# KiCad board RASBB.kicad_pcb (continued)
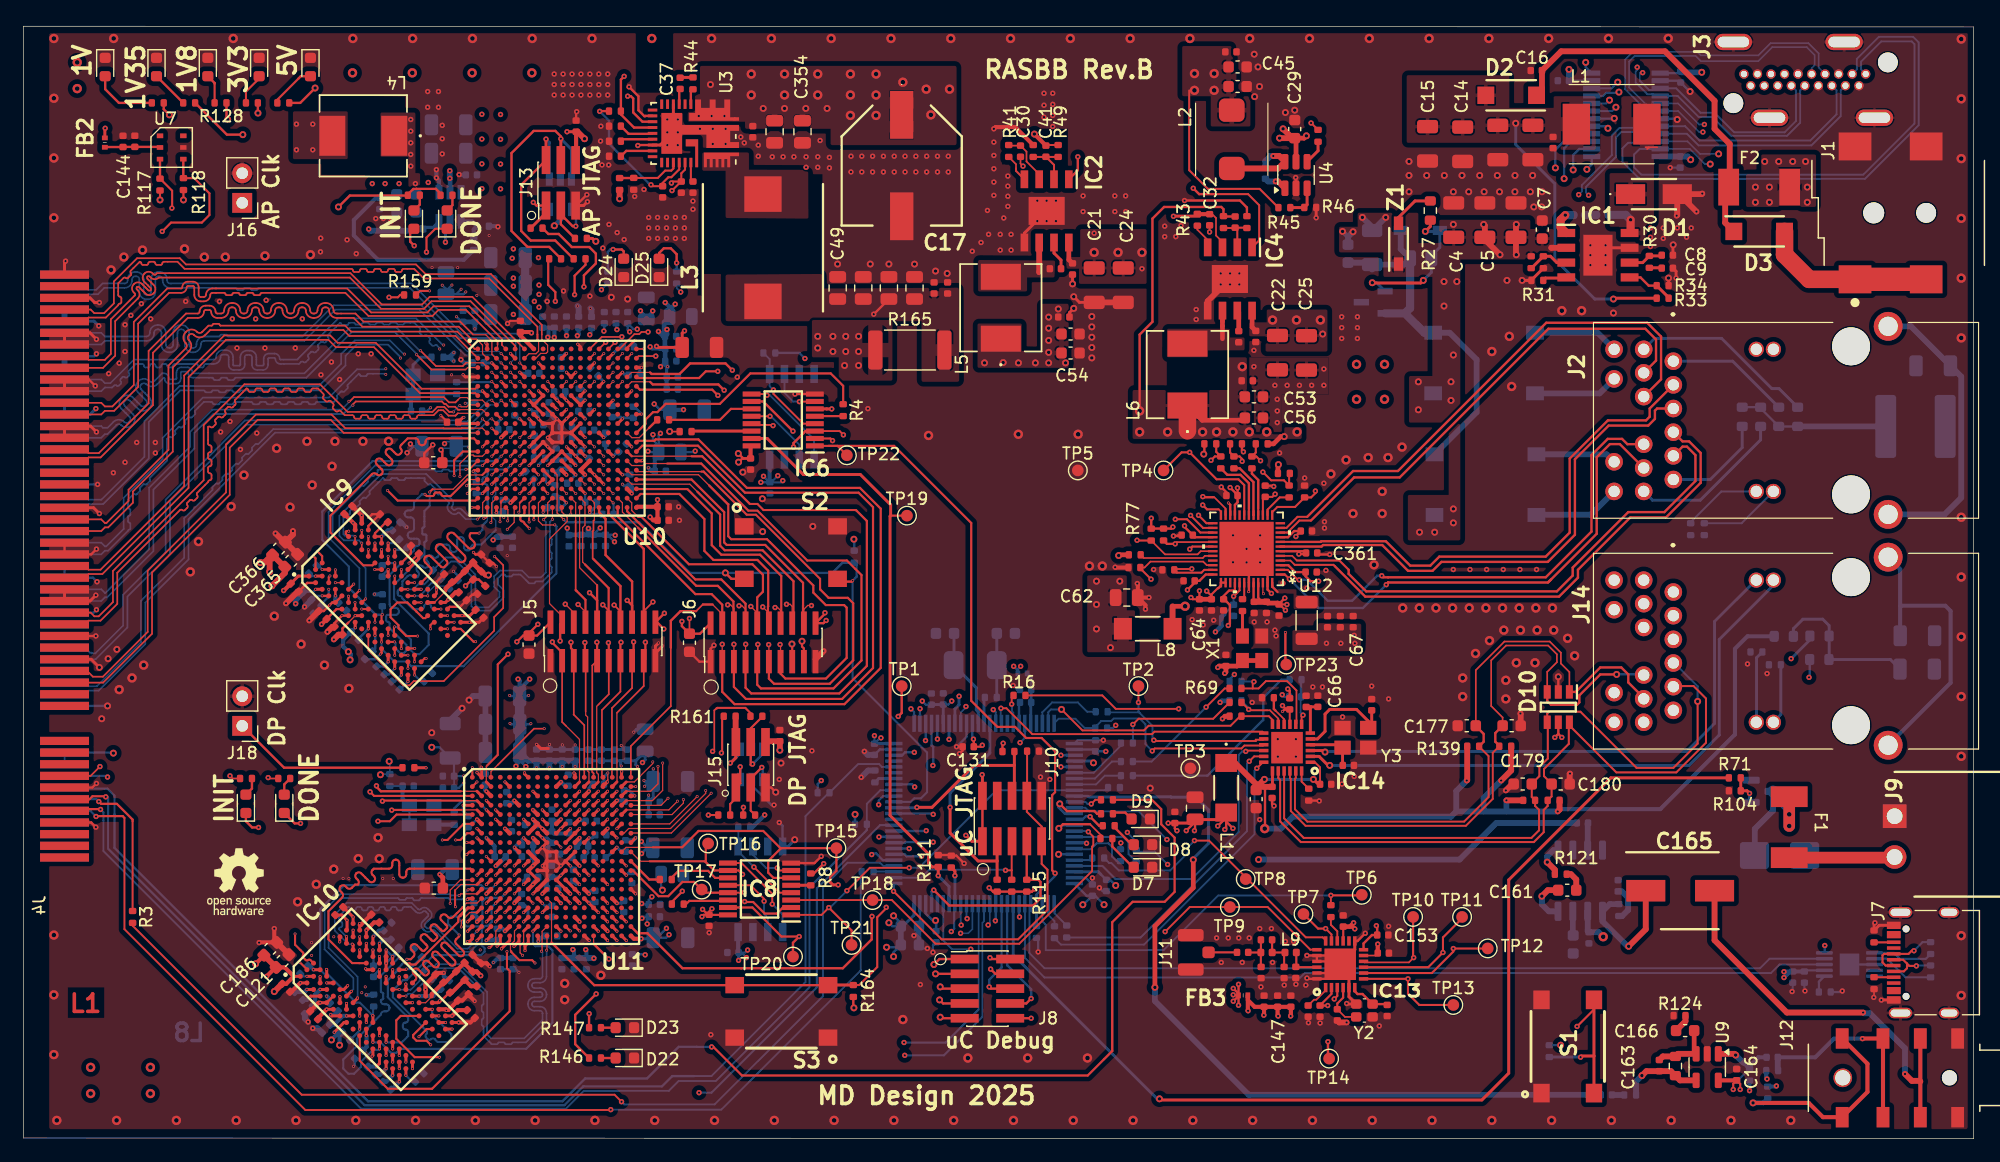
[diagram p0: board, top side]
## Nets (continued)
GND: C4.2 C5.2 C6.2 C7.2 C8.2 C9.2 C11.2 C12.2 C13.2 C14.2 C15.2 C16.2 C17.2 C18.2 C19.2 C20.2 C21.2 C22.2 C23.2 C24.2 C25.2 C26.2 C27.2 C28.2 C29.2 C30.2 C31.2 C32.2 C38.2 C39.2 C40.2 C42.2 C44.1 C45.1 C46.2 C47.1 C48.1 C49.2 C50.2 C51.2 C52.2 C53.1 C54.1 C55.1 C56.1 C57.1 C58.2 C59.2 C60.2 C61.2 C62.2 C63.2 C64.2 C65.2 C66.2 C67.2 C68.2 C69.2 C70.2 C71.2 C72.2 C73.2 C74.2 C75.2 C76.2 C77.2 C78.2 C79.2 C80.2 C81.2 C82.2 C83.2 C84.2 C85.2 C86.2 C87.2 C88.2 C89.2 C90.2 C91.2 C92.2 C93.2 C94.2 C95.2 C96.2 C97.2 C98.2 C99.2 C100.2 C101.2 C102.2 C103.2 C104.2 C105.2 C106.2 C107.2 C108.2 C109.2 C110.2 C111.2 C112.2 C113.2 C114.2 C115.2 C116.2 C117.2 C118.2 C119.2 C120.2 C121.2 C122.2 C123.2 C124.2 C125.1 C126.1 C127.2 C128.2 C129.2 C130.2 C131.2 C132.2 C133.2 C134.2 C135.2 C136.2 C137.2 C138.2 C139.2 C140.2 C141.2 C142.2 C143.2 C144.2 C145.2 C146.2 C147.2 C148.2 C149.2 C150.2 C151.2 C152.2 C153.2 C154.2 C155.2 C156.2 C158.2 C160.2 C162.2 C164.2 C168.2 C169.2 C170.2 C171.2 C172.2 C173.2 C174.2 C175.2 C176.2 C177.2 C178.2 C179.2 C180.2 C181.2 C182.2 C183.2 C184.2 C185.2 C186.2 C187.2 C188.1 C189.2 C190.2 C191.2 C192.1 C193.2 C194.2 C195.2 C196.2 C197.2 C198.2 C199.2 C200.2 C201.2 C202.1 C203.2 C204.1 C205.2 C206.2 C207.2 C208.2 C209.2 C210.2 C211.2 C212.2 C213.2 C214.2 C215.2 C216.2 C217.2 C218.2 C219.2 C220.2 C221.2 C222.2 C223.2 C224.2 C225.2 C226.2 C227.2 C228.2 C229.2 C230.2 C231.2 C232.2 C233.2 C234.2 C235.2 C236.2 C238.2 C239.2 C241.2 C242.2 C243.2 C244.2 C245.2 C246.2 C247.2 C248.2 C249.2 C250.2 C251.2 C252.2 C253.2 C254.2 C255.2 C257.2 C258.2 C261.2 C262.2 C263.2 C264.2 C265.2 C266.2 C267.2 C269.2 C273.2 C274.2 C275.2 C277.2 C278.2 C280.2 C281.2 C282.2 C284.2 C285.2 C287.2 C289.2 C290.2 C291.2 C292.2 C293.2 C294.2 C295.2 C296.2 C297.2 C298.2 C299.2 C300.2 C301.2 C302.2 C303.2 C304.2 C305.2 C306.2 C307.2 C308.2 C310.2 C311.2 C312.2 C313.2 C314.2 C315.2 C316.2 C317.2 C326.2 C327.2 C328.2 C329.2 C330.2 C331.2 C332.2 C333.2 C334.2 C335.2 C336.2 C337.2 C338.2 C339.2 C342.2 C346.2 C347.2 C348.2 C349.2 C350.2 C351.2 C352.2 C353.2 C354.2 C355.2 C356.2 C357.2 C358.2 C359.2 C360.2 C361.2 C362.2 C363.2 C364.2 C365.2 C366.2 D1.2 D6.2 D7.1 D8.1 D9.1 D10.2 D11.2 D12.2 D17.1 D18.1 D19.1 D20.1 D21.1 D22.1 D23.1 D24.1 D25.1 IC1.7 IC1.9 IC2.5 IC2.9 IC3.1 IC4.5 IC4.9 IC5.4 IC6.8 IC7.4 IC8.8 IC9.A9 IC9.B1 IC9.B3 IC9.B9 IC9.D1 IC9.D8 IC9.E1 IC9.E2 IC9.E8 IC9.F9 IC9.G1 IC9.G8 IC9.G9 IC9.J2 IC9.J8 IC9.M1 IC9.M9 IC9.P1 IC9.P9 IC9.T1 IC9.T9 IC10.A9 IC10.B1 IC10.B3 IC10.B9 IC10.D1 IC10.D8 IC10.E1 IC10.E2 IC10.E8 IC10.F9 IC10.G1 IC10.G8 IC10.G9 IC10.J2 IC10.J8 IC10.M1 IC10.M9 IC10.P1 IC10.P9 IC10.T1 IC10.T9 IC11.6 IC11.14 IC11.19 IC12.10 IC12.19 IC12.26 IC12.49 IC12.74 IC12.99 IC13.5 IC13.13 IC13.20 IC13.21 IC13.23 IC13.24 IC13.25 IC14.25 J1.2 J1.3 J3.2 J3.5 J3.8 J3.11 J3.17 J3.SH J4.A04 J4.A12 J4.A15 J4.A18 J4.A20 J4.A23 J4.A24 J4.A27 J4.A28 J4.A31 J4.A37 J4.A38 J4.A41 J4.A42 J4.A45 J4.A46 J4.A49 J4.B04 J4.B07 J4.B16 J4.B18 J4.B21 J4.B22 J4.B25 J4.B26 J4.B29 J4.B35 J4.B36 J4.B39 J4.B40 J4.B43 J4.B44 J4.B47 J4.B49 J5.1 J5.19 J6.1 J6.19 J7.A1 J7.A12 J7.B1 J7.B12 J7.S1 J9.1 J10.10 J11.2 J12.1A J12.1B J13.5 J15.5 J16.2 J18.2 Q1.2 R29.1 R31.1 R34.2 R37.1 R38.1 R39.1 R40.1 R46.1 R48.2 R50.1 R52.1 R60.1 R74.1 R76.1 R82.2 R83.2 R84.2 R85.2 R86.2 R89.2 R90.2 R91.2 R92.2 R95.2 R97.2 R98.2 R101.1 R104.2 R105.2 R106.1 R111.1 R112.1 R113.2 R120.1 R124.2 R126.1 R134.1 R135.2 R150.2 R151.2 S1.1 S1.2 S2.1 S2.2 S3.1 S3.2 TP3.1 TP5.1 U2.3 U3.7 U3.11 U3.16 U3.32/33 U4.2 U6.3 U6.11 U7.5 U8.2 U8.4 U9.2 U10.A2 U10.A12 U10.B5 U10.B15 U10.C8 U10.C18 U10.D1 U10.D11 U10.E4 U10.E14 U10.F7 U10.F9 U10.F11 U10.F17 U10.G8 U10.G10 U10.G12 U10.H3 U10.H7 U10.H9 U10.H11 U10.H13 U10.J6 U10.J8 U10.J9 U10.J10 U10.J12 U10.J16 U10.K7 U10.K9 U10.K10 U10.K11 U10.L2 U10.L8 U10.L9 U10.L10 U10.L12 U10.M5 U10.M7 U10.M9 U10.M11 U10.M15 U10.N8 U10.N10 U10.N12 U10.N18 U10.P1 U10.P11 U10.P13 U10.R4 U10.R14 U10.T7 U10.T17 U10.U10 U10.V3 U10.V13 U11.A2 U11.A12 U11.B5 U11.B15 U11.C8 U11.C18 U11.D1 U11.D11 U11.E4 U11.E14 U11.F7 U11.F9 U11.F11 U11.F17 U11.G8 U11.G10 U11.G12 U11.H3 U11.H7 U11.H9 U11.H11 U11.H13 U11.J6 U11.J8 U11.J9 U11.J10 U11.J12 U11.J16 U11.K7 U11.K9 U11.K10 U11.K11 U11.L2 U11.L8 U11.L9 U11.L10 U11.L12 U11.M5 U11.M7 U11.M9 U11.M11 U11.M15 U11.N8 U11.N10 U11.N12 U11.N18 U11.P1 U11.P11 U11.P13 U11.R4 U11.R14 U11.T7 U11.T17 U11.U10 U11.V3 U11.V13 U12.43 U12.47 U12.49 X1.2 X3.2 X4.2 Y2.2 Y2.4 Y3.2 Y3.4
/Audio_IN-OUT/Audio_IN: C163.2 R21.2 R123.2 U9.4
/Audio_IN-OUT/Audio_PTT: IC12.45 J12.4A J12.4B R67.1
/Audio_IN-OUT/LM386_INP: C2.2 U8.3
/Config-SPI FLASH/CS_Flash_FPGA1: IC6.2 U10.L13
/Config-SPI FLASH/MUX_EN1: IC6.15 IC12.69 R111.2 TP19.1
/Config-SPI FLASH/MUX_EN2: IC8.15 IC12.68 R112.2 TP20.1
/Config-SPI FLASH/SCK_Flash_FPGA1: IC6.14 R1.2
/Config-SPI FLASH/SCK_Flash_FPGA2: IC8.14 R6.1
/Config-SPI FLASH/SI_Flash_FPGA1: IC6.11 R2.2
/Config-SPI FLASH/SI_Flash_FPGA2: IC8.11 R7.1
/Config-SPI FLASH/SO_Flash_FPGA1: IC6.5 R4.2
/Config-SPI FLASH/SO_Flash_FPGA2: IC8.5 R8.1
/Config-SPI FLASH/SWITCH_FLASH_1: IC6.1 IC12.54 R113.1 TP22.1
/Config-SPI FLASH/SWITCH_FLASH_2: IC8.1 IC12.34 R106.2 TP21.1
/CS2_FLASH_uC: IC12.80 U11.U18
/CS_FLASH_FPGA2: IC8.2 U11.L13
/CS_FLASH_uC: IC6.3 IC8.3 IC12.41 TP18.1 U10.E18
/DDR3-01/CK_N: IC9.K7 R87.2 U10.V9
/DDR3-01/CK_P: IC9.J7 R87.1 U10.U9
/DDR3-01/DDR301_A0: IC9.N3 U10.R2
/DDR3-01/DDR301_A1: IC9.P7 U10.M6
/DDR3-01/DDR301_A2: IC9.P3 U10.N4
/DDR3-01/DDR301_A3: IC9.N2 U10.T1
/DDR3-01/DDR301_A4: IC9.P8 U10.N6
/DDR3-01/DDR301_A5: IC9.P2 U10.R7
/DDR3-01/DDR301_A6: IC9.R8 U10.V6
/DDR3-01/DDR301_A7: IC9.R2 U10.U7
/DDR3-01/DDR301_A8: IC9.T8 U10.R8
/DDR3-01/DDR301_A9: IC9.R3 U10.V7
/DDR3-01/DDR301_A10/AP: IC9.L7 U10.R6
/DDR3-01/DDR301_A11: IC9.R7 U10.U6
/DDR3-01/DDR301_A12/nBC: IC9.N7 U10.T6
/DDR3-01/DDR301_A13: IC9.T3 U10.T8
/DDR3-01/DDR301_BA0: IC9.M2 U10.R1
/DDR3-01/DDR301_BA1: IC9.N8 U10.P4
/DDR3-01/DDR301_BA2: IC9.M3 U10.P2
/DDR3-01/DDR301_CLKE: IC9.K9 U10.N5
/DDR3-01/DDR301_DQ0: IC9.E3 U10.K5
/DDR3-01/DDR301_DQ1: IC9.F7 U10.L3
/DDR3-01/DDR301_DQ2: IC9.F2 U10.K3
/DDR3-01/DDR301_DQ3: IC9.F8 U10.L6
/DDR3-01/DDR301_DQ4: IC9.H3 U10.M3
/DDR3-01/DDR301_DQ5: IC9.H8 U10.M1
/DDR3-01/DDR301_DQ6: IC9.G2 U10.L4
/DDR3-01/DDR301_DQ7: IC9.H7 U10.M2
/DDR3-01/DDR301_DQ8: IC9.D7 U10.V4
/DDR3-01/DDR301_DQ9: IC9.C3 U10.T4
/DDR3-01/DDR301_DQ10: IC9.C8 U10.U4
/DDR3-01/DDR301_DQ11: IC9.C2 U10.V5
/DDR3-01/DDR301_DQ12: IC9.A7 U10.V1
/DDR3-01/DDR301_DQ13: IC9.A2 U10.T3
/DDR3-01/DDR301_DQ14: IC9.B8 U10.U3
/DDR3-01/DDR301_DQ15: IC9.A3 U10.R3
/DDR3-01/DDR301_LDM: IC9.E7 U10.L1
/DDR3-01/DDR301_LDQS_N: IC9.G3 U10.N1
/DDR3-01/DDR301_LDQS_P: IC9.F3 U10.N2
/DDR3-01/DDR301_nCAS: IC9.K3 R86.1 U10.M4
/DDR3-01/DDR301_nCS: IC9.L2 U10.U8
/DDR3-01/DDR301_nRAS: IC9.J3 U10.P3
/DDR3-01/DDR301_nRST: IC9.T2 R85.1 U10.K6
/DDR3-01/DDR301_nWE: IC9.L3 U10.P5
/DDR3-01/DDR301_ODT: IC9.K1 U10.R5
/DDR3-01/DDR301_UDM: IC9.D3 U10.U1
/DDR3-01/DDR301_UDQS_N: IC9.B7 U10.U2
/DDR3-01/DDR301_UDQS_P: IC9.C7 U10.V2
/DDR3-01/VREF_DDR3: C76.1 C77.1 C84.1 IC9.H1 IC9.M8 R88.2 R89.1
/DDR3-2/CK_N: IC10.K7 R93.2 U11.V9
/DDR3-2/CK_P: IC10.J7 R93.1 U11.U9
/DDR3-2/DDR301_A0: IC10.N3 U11.R2
/DDR3-2/DDR301_A1: IC10.P7 U11.M6
/DDR3-2/DDR301_A2: IC10.P3 U11.N4
/DDR3-2/DDR301_A3: IC10.N2 U11.T1
/DDR3-2/DDR301_A4: IC10.P8 U11.N6
/DDR3-2/DDR301_A5: IC10.P2 U11.R7
/DDR3-2/DDR301_A6: IC10.R8 U11.V6
/DDR3-2/DDR301_A7: IC10.R2 U11.U7
/DDR3-2/DDR301_A8: IC10.T8 U11.R8
/DDR3-2/DDR301_A9: IC10.R3 U11.V7
/DDR3-2/DDR301_A10/AP: IC10.L7 U11.R6
/DDR3-2/DDR301_A11: IC10.R7 U11.U6
/DDR3-2/DDR301_A12/nBC: IC10.N7 U11.T6
/DDR3-2/DDR301_A13: IC10.T3 U11.T8
/DDR3-2/DDR301_BA0: IC10.M2 U11.R1
/DDR3-2/DDR301_BA1: IC10.N8 U11.P4
/DDR3-2/DDR301_BA2: IC10.M3 U11.P2
/DDR3-2/DDR301_CLKE: IC10.K9 U11.N5
/DDR3-2/DDR301_DQ0: IC10.E3 U11.K5
/DDR3-2/DDR301_DQ1: IC10.F7 U11.L3
/DDR3-2/DDR301_DQ2: IC10.F2 U11.K3
/DDR3-2/DDR301_DQ3: IC10.F8 U11.L6
/DDR3-2/DDR301_DQ4: IC10.H3 U11.M3
/DDR3-2/DDR301_DQ5: IC10.H8 U11.M1
/DDR3-2/DDR301_DQ6: IC10.G2 U11.L4
/DDR3-2/DDR301_DQ7: IC10.H7 U11.M2
/DDR3-2/DDR301_DQ8: IC10.D7 U11.V4
/DDR3-2/DDR301_DQ9: IC10.C3 U11.T4
/DDR3-2/DDR301_DQ10: IC10.C8 U11.U4
/DDR3-2/DDR301_DQ11: IC10.C2 U11.V5
/DDR3-2/DDR301_DQ12: IC10.A7 U11.V1
/DDR3-2/DDR301_DQ13: IC10.A2 U11.T3
/DDR3-2/DDR301_DQ14: IC10.B8 U11.U3
/DDR3-2/DDR301_DQ15: IC10.A3 U11.R3
/DDR3-2/DDR301_LDM: IC10.E7 U11.L1
/DDR3-2/DDR301_LDQS_N: IC10.G3 U11.N1
/DDR3-2/DDR301_LDQS_P: IC10.F3 U11.N2
/DDR3-2/DDR301_nCAS: IC10.K3 R92.1 U11.M4
/DDR3-2/DDR301_nCS: IC10.L2 U11.U8
/DDR3-2/DDR301_nRAS: IC10.J3 U11.P3
/DDR3-2/DDR301_nRST: IC10.T2 R91.1 U11.K6
/DDR3-2/DDR301_nWE: IC10.L3 U11.P5
/DDR3-2/DDR301_ODT: IC10.K1 U11.R5
/DDR3-2/DDR301_UDM: IC10.D3 U11.U1
/DDR3-2/DDR301_UDQS_N: IC10.B7 U11.V2
/DDR3-2/DDR301_UDQS_P: IC10.C7 U11.U2
/DDR3-2/VREF_DDR3: C99.1 C100.1 C107.1 IC10.H1 IC10.M8 R94.2 R95.1
/DEBUG_A0: J5.3 U10.T10 U11.B12
/DEBUG_A1: J5.5 U10.T11 U11.A13
/DEBUG_A2: J5.7 U10.R12 U11.B13
/DEBUG_A3: J5.9 U10.T13 U11.A14
/DEBUG_A4: J5.11 U10.R13 U11.B14
/DEBUG_A5: J5.13 U10.T14 U11.A15
/DEBUG_A6: J5.15 U10.P14 U11.A16
/DEBUG_A7: J5.17 U10.T15 U11.B16
/DEBUG_D0: J5.4 U10.V10 U11.C12
/DEBUG_D1: J5.6 U10.V11 U11.D12
/DEBUG_D2: J5.8 U10.U11 U11.D13
/DEBUG_D3: J5.10 U10.V12 U11.C14
/DEBUG_D4: J5.12 U10.U12 U11.D14
/DEBUG_D5: J5.14 U10.U13 U11.C15
/DEBUG_D6: J5.16 U10.V14 U11.D15
/DEBUG_D7: J5.18 U10.V15 U11.C16
/DEBUG_D8: J6.4 U10.V16 U11.A18
/DEBUG_D9: J6.6 U10.U16 U11.B18
/DEBUG_D10: J6.8 U10.V17 U11.B17
/DEBUG_D11: J6.10 U10.U17 U11.C17
/DEBUG_D12: J6.12 U10.U18 U11.D17
/DEBUG_D13: J6.14 U10.T18 U11.E15
/DEBUG_D14: J6.16 U10.R17 U11.D18
/DEBUG_D15: J6.18 U10.R18 U11.E16
/DEBUG_D16: J6.3 U10.L18 U11.E17
/DEBUG_D17: J6.5 U10.M18 U11.E18
/DEBUG_D18: J6.7 U10.M17 U11.F15
/DEBUG_D19: J6.9 U10.N17 U11.F16
/DEBUG_D20: J6.11 U10.P18 U11.F18
/DEBUG_D21: J6.13 U10.P17 U11.G16
/DEBUG_D22: J6.15 U10.N14 U11.G17
/DEBUG_D23: J6.17 U10.M14 U11.G18
/Ethernet_FPGA/G_ETH_CLK: R73.1 U12.42
/Ethernet_FPGA/G_ETH_RESET: R107.2 U11.A3 U12.29
/Ethernet_FPGA/LED_GR_ETH: J2.17 R74.2 U12.34
/Ethernet_FPGA/LED_YL_ETH: J2.19 R76.2 U12.35
/Ethernet_FPGA/MDI0_N: J2.10 U12.2
/Ethernet_FPGA/MDI0_P: J2.11 U12.1
/Ethernet_FPGA/MDI1_N: J2.5 U12.5
/Ethernet_FPGA/MDI1_P: J2.4 U12.4
/Ethernet_FPGA/MDI2_N: J2.2 U12.8
/Ethernet_FPGA/MDI2_P: J2.3 U12.7
/Ethernet_FPGA/MDI3_N: J2.9 U12.11
/Ethernet_FPGA/MDI3_P: J2.8 U12.10
/Ethernet_FPGA/RGMII_MDC: U11.A1 U12.30
/Ethernet_FPGA/RGMII_MDIO: R77.2 U11.B1 U12.31
/Ethernet_FPGA/RGMII_RXC: TP4.1 U11.E1 U12.19
/Ethernet_FPGA/RGMII_RXD0: R57.1 R63.1 U11.C1
/Ethernet_FPGA/RGMII_RXD1: R58.1 R64.1 U11.C2
/Ethernet_FPGA/RGMII_RXD2: R61.1 R65.1 U11.D2
/Ethernet_FPGA/RGMII_RXD3: R62.1 R66.1 U11.E2
/Ethernet_FPGA/RGMII_RXDV: R60.2 U11.B3 U12.13
/Ethernet_FPGA/RGMII_TX_EN: U11.G2 U12.27
/Ethernet_FPGA/RGMII_TXC: U11.F4 U12.22
/Ethernet_FPGA/RGMII_TXD0: U11.F1 U12.23
/Ethernet_FPGA/RGMII_TXD1: U11.G1 U12.24
/Ethernet_FPGA/RGMII_TXD2: U11.H1 U12.25
/Ethernet_FPGA/RGMII_TXD3: U11.H2 U12.26
/Ethernet_uC/ETH_RESET: IC12.25 IC14.15 R75.2
/Ethernet_uC/LED_GR_ETH: IC14.3 J14.17
/Ethernet_uC/LED_YL_ETH: IC14.2 J14.19
/Ethernet_uC/RMII_CRS_DV: R20.1 R70.2
/Ethernet_uC/RMII_MDC: IC12.16 IC14.13
/Ethernet_uC/RMII_MDIO: IC12.24 IC14.12 R136.1
/Ethernet_uC/RMII_REFCLK: IC14.14 R18.1 TP2.1
/Ethernet_uC/RMII_RXD0: R23.1 R69.1
/Ethernet_uC/RMII_RXD1: R24.1 R68.1
/Ethernet_uC/RMII_TX_EN: IC12.47 IC14.16
/Ethernet_uC/RMII_TXD0: IC14.17 R19.1
/Ethernet_uC/RMII_TXD1: IC14.18 R17.1
/Ethernet_uC/RX_N: C178.1 D10.3 IC14.22 J14.10 R140.1
/Ethernet_uC/RX_P: C177.1 D10.1 IC14.23 J14.11 R139.1
/Ethernet_uC/TX_N: C180.1 D10.6 IC14.20 J14.5 R142.1
/Ethernet_uC/TX_P: C179.1 D10.4 IC14.21 J14.4 R141.1
/FPGA-01/BANK0/FPGA1_DONE: D13.1 IC12.20 U10.P10
/FPGA-01/BANK0/FPGA1_INIT: D15.1 U10.P7
/FPGA-01/BANK0/FPGA1_TDO: R154.2 U10.E13
/FPGA-01/BANK0/JTAG1_TCK: R155.2 U10.E10
/FPGA-01/BANK0/JTAG1_TDI: R153.2 U10.E11
/FPGA-01/BANK0/JTAG1_TMS: R152.2 U10.E12
/FPGA-01/BANK0/TCK_1: D11.6 J13.4 R155.1
/FPGA-01/BANK0/TDI_1: D11.4 J13.2 R153.1
/FPGA-01/BANK0/TDO_1: D11.1 J13.3 R154.1
/FPGA-01/BANK0/TMS_1: D11.3 J13.1 R152.1
/FPGA-01/F1_B15_C15: IC11.4 U10.C15
/FPGA-01/F1_B15_D15: IC11.3 U10.D15
/FPGA-01/F1_B15_E15: IC11.2 U10.E15
/FPGA-01/F1_B15_E16: IC11.1 U10.E16
/FPGA-01/FPGA1_CLK: R1.1 U10.E9
/FPGA-01/FPGA1_MISO: R4.1 U10.K18
/FPGA-01/FPGA1_MOSI: R2.1 U10.K17
/FPGA-01/FPGA1_PROG: IC12.90 R156.2 S2.3 S2.4 U10.P9
/FPGA-02/BANK0/FPGA2_DONE: D14.1 IC12.86 U11.P10
/FPGA-02/BANK0/FPGA2_INIT: D16.1 U11.P7
/FPGA-02/BANK0/FPGA2_TDO: R162.2 U11.E13
/FPGA-02/BANK0/JTAG2_TCK: R163.2 U11.E10
/FPGA-02/BANK0/JTAG2_TDI: R161.2 U11.E11
/FPGA-02/BANK0/JTAG2_TMS: R160.2 U11.E12
/FPGA-02/BANK0/TCK_2: D12.6 J15.4 R163.1
/FPGA-02/BANK0/TDI_2: D12.4 J15.2 R161.1
/FPGA-02/BANK0/TDO_2: D12.1 J15.3 R162.1
/FPGA-02/BANK0/TMS_2: D12.3 J15.1 R160.1
/FPGA-02/F2_B14_P15: IC12.98 U11.P15
/FPGA-02/F2_B14_R15: IC12.3 U11.R15
/FPGA-02/F2_B14_R16: IC12.4 U11.R16
/FPGA-02/F2_B14_T15: IC12.5 U11.T15
/FPGA-02/F2_B14_T16: IC12.28 U11.T16
/FPGA-02/F2_B14_U14: IC12.64 U11.U14
/FPGA-02/F2_B14_U16: IC12.30 U11.U16
/FPGA-02/F2_B14_V14: IC12.63 U11.V14
/FPGA-02/F2_B14_V15: IC12.65 U11.V15
/FPGA-02/F2_B14_V16: IC12.84 U11.V16
/FPGA-02/F2_B14_V17: IC12.93 U11.V17
/FPGA-02/FPGA2_PROG: IC12.91 R164.2 S3.3 S3.4 U11.P9
/HDMI/HDMI_5V: C124.1 IC11.13 J3.18
/HDMI/HDMI_CEC_B: IC11.7 J3.13
/HDMI/HDMI_CLK_N: IC11.15 J3.12 U10.A14
/HDMI/HDMI_CLK_P: IC11.16 J3.10 U10.A13
/HDMI/HDMI_D0_N: IC11.17 J3.9 U10.B17
/HDMI/HDMI_D0_P: IC11.18 J3.7 U10.B16
/HDMI/HDMI_D1_N: IC11.20 J3.6 U10.A16
/HDMI/HDMI_D1_P: IC11.21 J3.4 U10.A15
/HDMI/HDMI_D2_N: IC11.22 J3.3 U10.A18
/HDMI/HDMI_D2_P: IC11.23 J3.1 U10.B18
/HDMI/HDMI_HPD_B: IC11.10 J3.19
/HDMI/HDMI_SCL_B: IC11.8 J3.15
/HDMI/HDMI_SDA_B: IC11.9 J3.16
/PCIE/PCIE_CS: IC12.37 J4.A08
/PCIE/PCIE_MISO: J4.A07 R12.1
/PCIE/PCIE_MOSI: J4.A06 R3.1
/PCIE/PCIE_SCK: J4.A05 R11.1
/PCIE/RX0_N: J4.A14 U10.J2
/PCIE/RX0_P: J4.A13 U10.J3
/PCIE/RX1_N: J4.B14 U10.K1
/PCIE/RX1_P: J4.B15 U10.K2
/PCIE/RX2_N: J4.A17 U10.G3
/PCIE/RX2_P: J4.A16 U10.G4
/PCIE/RX3_N: J4.B20 U10.G1
/PCIE/RX3_P: J4.B19 U10.H1
/PCIE/RX4_N: J4.A22 U10.G2
/PCIE/RX4_P: J4.A21 U10.H2
/PCIE/RX5_N: J4.B24 U10.E1
/PCIE/RX5_P: J4.B23 U10.F1
/PCIE/RX6_N: J4.A26 U10.F3
/PCIE/RX6_P: J4.A25 U10.F4
/PCIE/RX7_N: J4.B28 U10.A1
/PCIE/RX7_P: J4.B27 U10.B1
/PCIE/RX8_N: J4.A29 U10.E5
/PCIE/RX8_P: J4.A30 U10.E6
/PCIE/RX9_N: J4.B33 U10.B2
/PCIE/RX9_P: J4.B34 U10.B3
/PCIE/RX10_N: J4.A35 U10.C1
/PCIE/RX10_P: J4.A36 U10.C2
/PCIE/RX11_N: J4.B37 U10.A3
/PCIE/RX11_P: J4.B38 U10.A4
/PCIE/RX12_N: J4.A39 U10.D4
/PCIE/RX12_P: J4.A40 U10.D5
/PCIE/RX13_N: J4.B41 U10.A5
/PCIE/RX13_P: J4.B42 U10.A6
/PCIE/RX14_N: J4.A44 U10.B4
/PCIE/RX14_P: J4.A43 U10.C4
/PCIE/RX15_N: J4.B45 U10.B6
/PCIE/RX15_P: J4.B46 U10.B7
/PCIE/RX16_N: J4.A47 U10.C5
/PCIE/RX16_P: J4.A48 U10.C6
/PCIE/SMCLK: IC12.92 J4.B05 R10.1
/PCIE/SMDAT: IC12.96 J4.B06 R9.1
/POWER/PGOOD_1V: IC2.1 IC4.1 R35.2 U3.13
/POWER/PGOOD_1V8: C30.1 IC2.3 R41.1
/POWER/PGOOD_3V3: C32.1 IC3.5 IC4.3 R43.1
/POWER/VSEN_P: C38.1 C42.1 C46.1 C49.1 C52.1 C55.2 L3.2 R165.2 U3.12
/RF_Transceiver/BUSY_LORA_G: IC12.8 IC13.7 TP13.1
/RF_Transceiver/DIO1_LORA_G: IC12.1 IC13.8 TP12.1
/RF_Transceiver/DIO2_LORA_G: IC12.2 IC13.9 TP11.1
/RF_Transceiver/DIO3_LORA_G: IC12.9 IC13.10 TP10.1
/RF_Transceiver/LORA_VDDIO: C146.1 C147.1 C148.1 C152.1 C154.1 FB3.2 IC13.11 IC13.15
/RF_Transceiver/NRST_LORA_G: IC12.7 IC13.3 TP14.1
/RF_Transceiver/SPI_MISO_LORA_G: IC13.16 R22.2
/RF_Transceiver/SPI_MOSI_LORA_G: IC13.17 R16.2 TP7.1
/RF_Transceiver/SPI_NSS_LORA_G: IC12.70 IC13.19 TP9.1
/RF_Transceiver/SPI_SCK_LORA_G: IC13.18 R15.2 TP8.1
/SCK_FLASH_FPGA2: R6.2 U11.E9
/SCK_FLASH_uC: IC6.13 IC8.13 R13.1 TP17.1 U10.D18 U11.L18
/SI_FLASH_FPGA2: R7.2 U11.K18
/SI_FLASH_uC: IC6.10 IC8.10 R14.1 TP16.1 U10.E17 U11.J18
/SO_FLASH_FPGA2: R8.2 U11.K17
/SO_FLASH_uC: IC6.6 IC8.6 IC12.43 TP15.1 U10.D17 U11.J17
/uController/ADC1_IN5: C1.1 IC12.35
/uController/ALARM: IC12.58 R71.1
/uController/BOOT0: IC12.94 R105.1
/uController/DBG_JTCK_SWCLK: IC12.76 J10.8 J10.9 R120.2
/uController/DBG_JTDI: IC12.77 J10.5 R114.1
/uController/DBG_JTDO_SWO: IC12.89 J10.6 R119.1
/uController/DBG_JTMS_SWDIO: IC12.72 J10.7 R115.1
/uController/PD0_DEBUG: IC12.81 J8.1
/uController/PD1_DEBUG: IC12.82 J8.3
/uController/PD2_DEBUG: IC12.83 J8.5
/uController/PD4_DEBUG: IC12.85 J8.7
/uController/PD7_DEBUG: IC12.88 J8.9
/uController/PD10_DEBUG: IC12.57 J8.10
/uController/PD12_DEBUG: IC12.59 J8.8
/uController/PD13_DEBUG: IC12.60 J8.6
/uController/PD14_DEBUG: IC12.61 J8.4
/uController/PD15_DEBUG: IC12.62 J8.2
/uController/uC_CONFIG: IC12.15 R96.2 S1.3 S1.4
/uController/uC_DAC2_OUT2: C2.1 IC12.29
/uController/uC_ETH_CRS_DV: IC12.31 R20.2
/uController/uC_ETH_REF_CLK: IC12.23 R18.2
/uController/uC_ETH_RXD0: IC12.32 R23.2
/uController/uC_ETH_RXD1: IC12.33 R24.2
/uController/uC_ETH_TXD0: IC12.51 R19.2
/uController/uC_ETH_TXD1: IC12.52 R17.2
/uController/uC_GR: IC12.39 R109.1
/uController/uC_I2C3_SCL: IC12.67 R117.1 U7.3
/uController/uC_I2C3_SDA: IC12.66 R118.1 U7.4
/uController/uC_NRST: IC12.14 J10.3 R116.1
/uController/uC_OSC_IN: C139.1 IC12.12 Y1.1
/uController/uC_RED: IC12.40 R108.1
/uController/uC_SPI2_MISO: IC12.53 R22.1 TP6.1
/uController/uC_SPI2_MOSI: IC12.18 R16.1
/uController/uC_SPI2_SCK: IC12.46 R15.1
/uController/uC_SPI3_MISO: IC12.79 R3.2
/uController/uC_SPI3_MOSI: IC12.36 R12.2
/uController/uC_SPI3_SCK: IC12.78 R11.2
/uController/uC_SPI4_MOSI: IC12.44 R14.2
/uController/uC_SPI4_SCK: IC12.42 R13.2
/uController/uC_UART3_RX: IC12.56 U6.8
/uController/uC_UART3_TX: IC12.55 U6.9
/uController/uC_VCAP: C141.1 C143.1 IC12.48 IC12.73
/uController/uC_VDDA: C130.1 C132.1 FB1.2 IC12.21
/uController/uC_YL: IC12.38 R110.1
/VDC_IN: C3.1 C4.1 C5.1 C6.1 C7.1 D4.1 D5.1 IC1.2 R25.2 R28.1 Z1.1
Net-(C1-Pad2): C1.2 R21.1
Net-(C9-Pad1): C9.1 R30.1
Net-(C10-Pad2): C10.2 R32.2
Net-(C16-Pad1): C16.1 D2.1 D3.1 F2.1
Net-(C37-Pad2): C37.2 R44.2
Net-(C73-Pad1): C73.1 R78.1 R79.1 R80.1 R81.1
Net-(C74-Pad1): C74.1 J2.MH1 J2.MH2
Net-(C140-Pad1): C140.1 R102.2 Y1.2
Net-(C156-Pad1): C156.1 C157.1 L9.2 L10.1
Net-(C157-Pad2): C157.2 C158.1 C159.2 L10.2
Net-(C161-Pad1): C161.1 U8.8
Net-(C161-Pad2): C161.2 R121.2
Net-(C162-Pad1): C162.1 R122.1
Net-(C165-Pad1): C165.1 R122.2 U8.5
Net-(C165-Pad2): C165.2 J12.2A J12.2B
Net-(C166-Pad2): C166.2 R124.1
Net-(C167-Pad2): C167.2 J12.3A J12.3B R127.2
Net-(C181-Pad1): C181.1 R143.2 R144.1 R145.1
Net-(C183-Pad1): C183.1 J14.MH1 J14.MH2
Net-(D3-Pad2): D3.2 J1.1A J1.1B
Net-(D6-K): D6.1 F1.1 Q1.3
Net-(D7-A): D7.2 R108.2
Net-(D8-A): D8.2 R109.2
Net-(D9-A): D9.2 R110.2
Net-(D13-A): D13.2 R5.2
Net-(D14-A): D14.2 R56.2
Net-(D15-A): D15.2 R54.2
Net-(D16-A): D16.2 R103.2
Net-(D17-A): D17.2 R130.2
Net-(D18-A): D18.2 R129.2
Net-(D19-A): D19.2 R128.2
Net-(D20-A): D20.2 R131.2
Net-(D21-A): D21.2 R138.2
Net-(D22-A): D22.2 R146.2
Net-(D23-A): D23.2 R147.2
Net-(D24-A): D24.2 R148.2
Net-(D25-A): D25.2 R149.2
Net-(F1-Pad2): F1.2 J9.2
Net-(IC1-BOOT): C10.1 IC1.1
Net-(IC1-COMP): C8.1 IC1.6 R30.2
Net-(IC1-EN): IC1.3 R28.2 R29.2
Net-(IC1-FB): IC1.5 R33.2 R34.1
Net-(IC1-RT/SYNC): IC1.4 R31.2
Net-(IC1-SW): D1.1 IC1.8 L1.1 R32.1
Net-(IC2-PG): IC2.4 R41.2
Net-(IC2-SW): C35.1 IC2.6 L5.2
Net-(IC2-VBST): C35.2 IC2.7
Net-(IC2-VFB): C41.2 IC2.2 R49.2 R50.2
Net-(IC3-SW): C34.1 IC3.2 L4.2
Net-(IC3-VBST): C34.2 IC3.6
Net-(IC3-VFB): IC3.4 R47.2 R48.1
Net-(IC4-PG): IC4.4 R43.2
Net-(IC4-SW): C36.1 IC4.6 L6.2
Net-(IC4-VBST): C36.2 IC4.7
Net-(IC4-VFB): C43.2 IC4.2 R51.1 R52.2
Net-(IC5-CS#): IC5.1 IC6.4 R53.2
Net-(IC5-SCK): IC5.6 IC6.12
Net-(IC5-SI/IO0): IC5.5 IC6.9
Net-(IC5-SO/IO1): IC5.2 IC6.7
Net-(IC7-CS#): IC7.1 IC8.4 R55.2
Net-(IC7-SCK): IC7.6 IC8.12
Net-(IC7-SI/IO0): IC7.5 IC8.9
Net-(IC7-SO/IO1): IC7.2 IC8.7
Net-(IC9-ZQ): IC9.L8 R84.1
Net-(IC10-ZQ): IC10.L8 R90.1
Net-(IC12-PH1-OSC_OUT): IC12.13 R102.1
Net-(IC13-DCC_FB): C150.1 C153.1 IC13.2 IC13.12
Net-(IC13-RFIO): C155.1 IC13.22 L9.1
Net-(IC13-VR_PA): C151.1 IC13.1
Net-(IC13-XTA): C149.1 IC13.4 Y2.3
Net-(IC13-XTB): C145.1 IC13.6 Y2.1
Net-(IC14-CRS_DV/~{MODE2}): IC14.11 R70.1 R137.1
Net-(IC14-RBIAS): IC14.24 R134.2
Net-(IC14-RXD0/~{MODE0}): IC14.8 R69.2 R133.1
Net-(IC14-RXD1/~{MODE1}): IC14.7 R68.2 R132.1
Net-(IC14-RXER/~{PHYAD0}): IC14.10 R135.1
Net-(IC14-VDDCR): C66.1 C171.1 IC14.6
Net-(IC14-XTAL1/CLKIN): C176.1 IC14.5 Y3.1
Net-(IC14-XTAL2): C168.1 IC14.4 Y3.3
Net-(J2-GN_K): J2.18 R82.1
Net-(J2-MDCT1): J2.12 R78.2
Net-(J2-MDCT2): J2.6 R79.2
Net-(J2-MDCT3): J2.1 R80.2
Net-(J2-MDCT4): J2.7 R81.2
Net-(J2-VDC1+): D4.4 J2.13
Net-(J2-VDC1-): D4.2 J2.14
Net-(J2-VDC2+): D5.4 J2.15
Net-(J2-VDC2-): D5.2 J2.16
Net-(J2-YL_K): J2.20 R83.1
Net-(J7-CC1): J7.A5 R97.1
Net-(J7-CC2): J7.B5 R98.1
Net-(J7-D+-PadA6): J7.A6 J7.B6 R100.2
Net-(J7-D--PadA7): J7.A7 J7.B7 R99.2
Net-(J11-In): C159.1 J11.1
Net-(J14-GN_K): J14.18 R150.1
Net-(J14-MDCT1): J14.12 R144.2
Net-(J14-MDCT2): J14.6 R145.2
Net-(J14-YL_K): J14.20 R151.1
Net-(J16-Pin_1): J16.1 R159.1
Net-(J18-Pin_1): J18.1 R167.1
Net-(Q1-G): Q1.1 R71.2 R104.1
Net-(R27-Pad2): R27.2 Z1.2
Net-(R121-Pad1): R121.1 U8.1
Net-(U2-G): R26.2 R27.1 U1.1 U2.1
Net-(U3A-ADDR): R40.2 U3.14
Net-(U3A-BOOT): C37.1 U3.6
Net-(U3A-EN): R36.1 R37.2 U3.21
Net-(U3A-PH): R44.1 U3.4
Net-(U3A-RT/SYNC): R38.2 U3.17
Net-(U3A-SW): L3.1 U3.26-31
Net-(U3A-VSET): R39.2 U3.15
Net-(U3B-PVCC): C20.1 U3.24
Net-(U3B-VDD): C19.1 R35.1 U3.22
Net-(U4-BST): C33.1 U4.1
Net-(U4-EN): R42.2 U4.4
Net-(U4-FB): R45.1 R46.2 U4.3
Net-(U4-SW): C33.2 L2.1 U4.6
Net-(U6-TNOW): R101.2 U6.6
Net-(U6-UD+): R100.1 U6.1
Net-(U6-UD-): R99.1 U6.2
Net-(U7-VDD): C142.1 C144.1 FB2.2 U7.2
Net-(U8-BYPASS): C160.1 U8.7
Net-(U9-+): C167.1 R125.1 R126.2 U9.1
Net-(U9--): C163.1 C166.1 R123.1 U9.3
Net-(U10A-IO_L2N_T0_AD8N_15): R148.1 U10.B14
Net-(U10A-IO_L2P_T0_AD8P_15): R149.1 U10.B13
Net-(U10C-IO_L12N_T1_MRCC_35): R159.2 U10.D3
Net-(U10C-IO_L12P_T1_MRCC_35): R158.2 U10.E3
Net-(U11A-IO_L19N_T3_A09_D25_VREF_14): R147.1 U11.U11
Net-(U11A-IO_L20P_T3_A08_D24_14): R146.1 U11.U12
Net-(U11C-IO_L12N_T1_MRCC_35): R167.2 U11.D3
Net-(U11C-IO_L12P_T1_MRCC_35): R166.2 U11.E3
Net-(U12-CLK125): TP23.1 U12.46
Net-(U12-LED2/RXDLY): R59.2 U12.32
Net-(U12-REG_OUT): L7.2 U12.48
Net-(U12-RXD0/SELRGV): R63.2 U12.14
Net-(U12-RXD1/TXDLY): R64.2 U12.16
Net-(U12-RXD2/AN0): R65.2 U12.17
Net-(U12-RXD3/AN1): R66.2 U12.18
Net-(X1-OUT): R73.2 X1.3
Net-(X3-EN): C258.1 R157.1 X3.1 X3.4
Net-(X3-OUT): R158.1 X3.3
Net-(X4-EN): C342.1 R72.1 X4.1 X4.4
Net-(X4-OUT): R166.1 X4.3

Pads without a net: D11 5; D12 5; IC5 3 7; IC7 3 7; IC9 J1 J9 L1 L9 M7 T7; IC10 J1 J9 L1 L9 M7 T7; IC12 17 22 71 87 95 97; IC13 14; J3 14; J4 A01 A02 A03 A11 A19 A32 A33 A34 B01 B02 B03 B09 B10 B11 B12 B13 B17 B30 B31 B32 B48; J7 A4 A8 A9 B4 B8 B9; J10 4; J14 1 2 3 7 8 9 13 14 15 16; U3 5 8 9 10 18 19 20 25; U6 4 5; U7 1 6; U10 A8 A9 A10 A11 B8 B9 B11 B12 C7 C9 C10 C11 C12 C14 C16 C17 D2 D7 D8 D9 D10 D12 D13 D14 E2 E7 F5 F6 F13 F14 F15 F16 F18 G6 G13 G14 G16 G17 G18 H4 H5 H6 H14 H15 H16 H17 J4 J5 J13 J14 J15 J17 J18 K13 K15 K16 L5 L14 L15 L16 M13 M16 N15 N16 P15 R10 R11 R15 R16 T5 T9 T16 U14; U11 A4 A5 A6 A8 A9 A10 A11 B2 B4 B6 B7 B8 B9 B11 C4 C5 C6 C7 C9 C10 C11 D4 D5 D7 D8 D9 D10 E5 E6 E7 F3 F5 F6 F13 F14 G3 G4 G6 G13 G14 H4 H5 H6 H14 H15 H16 H17 J2 J3 J4 J5 J13 J14 J15 K1 K2 K13 K15 K16 L5 L14 L15 L16 M13 M14 M16 M17 M18 N14 N15 N16 N17 P14 P17 P18 R10 R11 R12 R13 R17 R18 T5 T9 T10 T11 T13 T14 T18 U13 U17 V10 V11 V12; U12 12 20 33 39